# EAGLE board Mk4 Final Panel 8up 4x2 (EAGLE 9.0.1), part 23 of 23 (continued)
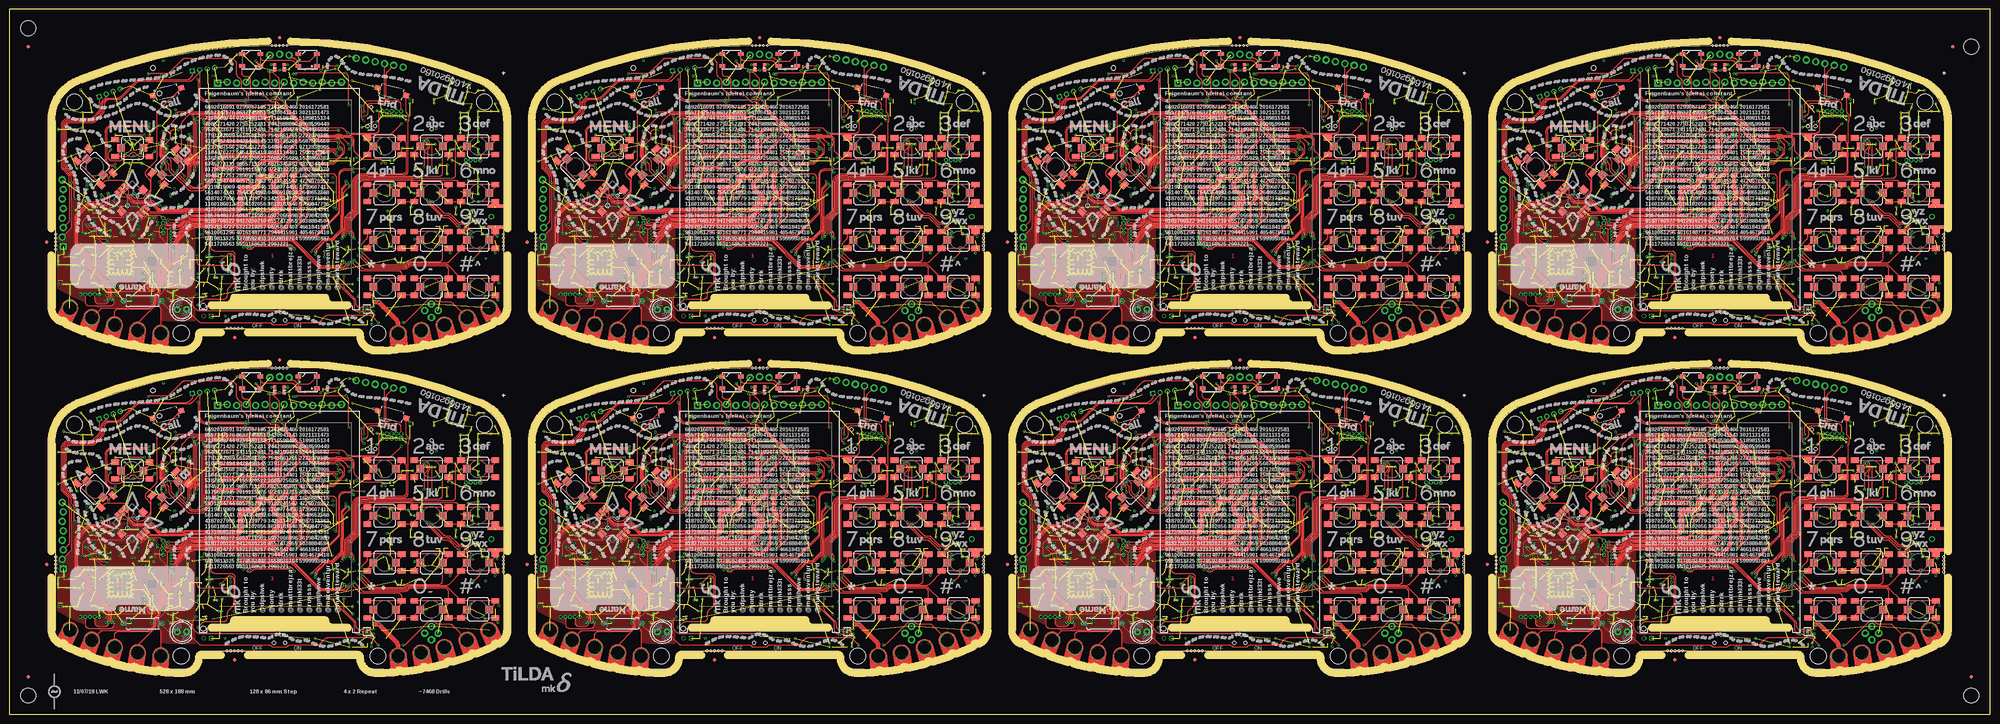
[diagram p0: board, top side]
## Tracks (layer width: path | path; a pad name or v marks a point on that pad's centre or on a via) (continued)
  pour 3V3@2 (no thermals): 281,129.5 281,128.5 280.75,128.25 279.75,128.25 279.5,128.5 279.5,130.5 281,132 286.5,132 287.5,131 290.25,131 290.75,130.5 290.75,129.5 290.25,129 287,129 286,130 281.5,130
VDD_PA7  (via drill 0.3)  (1 unrouted)
  Bottom 0.25: IC137.42 414.25,126 arc-45 414.54,126.71 415.16,127.32 arc45 415.45,128.03 415.45,129.24 arc-45 415.6,129.6 415.88,129.88 C842.1 | IC137.33 409.65,125.05
  Bottom 0.4: C842.1 C841.1 | C841.1 417.77,130.4 v418.25,130.4 | C841.1 417.73,129.4 v418.25,129.4 | C840.1 408.96,127.17 arc-45 409.25,126.46 409.25,125.86 arc45 409.54,125.16 409.65,125.05 | 408.7,127.95 408.7,128.07 | C840.1 408.7,128.07 | 408.7,128.07 v408.7,128.75 | v407.95,128.75 407.95,128.59 arc45 408.24,127.88 C840.1
  pour 3V3@2 (no thermals): 409,129.5 409,128.5 408.75,128.25 407.75,128.25 407.5,128.5 407.5,130.5 409,132 414.5,132 415.5,131 418.25,131 418.75,130.5 418.75,129.5 418.25,129 415,129 414,130 409.5,130
VDD_PLL
  Bottom 0.25: IC15.24 C94.1
VDD_PLL1
  Bottom 0.25: IC29.24 C202.1
VDD_PLL2
  Bottom 0.25: IC47.24 C310.1
VDD_PLL3
  Bottom 0.25: IC65.24 C418.1
VDD_PLL4
  Bottom 0.25: IC83.24 C526.1
VDD_PLL5
  Bottom 0.25: IC101.24 C634.1
VDD_PLL6
  Bottom 0.25: IC119.24 C742.1
VDD_PLL7
  Bottom 0.25: IC137.24 C850.1
VDD_RAM
  Bottom 0.2: IC15.49 35.34,38.25 arc-45 36.04,37.96 C95.1
VDD_RAM1
  Bottom 0.2: IC29.49 163.34,38.25 arc-45 164.04,37.96 C203.1
VDD_RAM2
  Bottom 0.2: IC47.49 35.34,124.25 arc-45 36.04,123.96 C311.1
VDD_RAM3
  Bottom 0.2: IC65.49 163.34,124.25 arc-45 164.04,123.96 C419.1
VDD_RAM4
  Bottom 0.2: IC83.49 291.34,38.25 arc-45 292.04,37.96 C527.1
VDD_RAM5
  Bottom 0.2: IC101.49 419.34,38.25 arc-45 420.04,37.96 C635.1
VDD_RAM6
  Bottom 0.2: IC119.49 291.34,124.25 arc-45 292.04,123.96 C743.1
VDD_RAM7
  Bottom 0.2: IC137.49 419.34,124.25 arc-45 420.04,123.96 C851.1
VDDC
  Bottom 0.2: 78.8,64 IC1.115 80.6,64 | 74.6,71.8 IC1.87 74.6,73.6
  Bottom 0.25: 78.8,64 77.6,64 arc-90 74.6,67 74.6,71.8 | 74.6,73.6 74.6,73.65 C8.2 | 80.6,64 81.62,64 C6.2 C7.2
VDDC1
  Bottom 0.2: 206.8,64 IC20.115 208.6,64 | 202.6,71.8 IC20.87 202.6,73.6
  Bottom 0.25: 206.8,64 205.6,64 arc-90 202.6,67 202.6,71.8 | 202.6,73.6 202.6,73.65 C118.2 | 208.6,64 209.62,64 C116.2 C117.2
VDDC2
  Bottom 0.2: 78.8,150 IC38.115 80.6,150 | 74.6,157.8 IC38.87 74.6,159.6
  Bottom 0.25: 78.8,150 77.6,150 arc-90 74.6,153 74.6,157.8 | 74.6,159.6 74.6,159.65 C226.2 | 80.6,150 81.62,150 C224.2 C225.2
VDDC3
  Bottom 0.2: 206.8,150 IC56.115 208.6,150 | 202.6,157.8 IC56.87 202.6,159.6
  Bottom 0.25: 206.8,150 205.6,150 arc-90 202.6,153 202.6,157.8 | 202.6,159.6 202.6,159.65 C334.2 | 208.6,150 209.62,150 C332.2 C333.2
VDDC4
  Bottom 0.2: 334.8,64 IC74.115 336.6,64 | 330.6,71.8 IC74.87 330.6,73.6
  Bottom 0.25: 334.8,64 333.6,64 arc-90 330.6,67 330.6,71.8 | 330.6,73.6 330.6,73.65 C442.2 | 336.6,64 337.62,64 C440.2 C441.2
VDDC5
  Bottom 0.2: 462.8,64 IC92.115 464.6,64 | 458.6,71.8 IC92.87 458.6,73.6
  Bottom 0.25: 462.8,64 461.6,64 arc-90 458.6,67 458.6,71.8 | 458.6,73.6 458.6,73.65 C550.2 | 464.6,64 465.62,64 C548.2 C549.2
VDDC6
  Bottom 0.2: 334.8,150 IC110.115 336.6,150 | 330.6,157.8 IC110.87 330.6,159.6
  Bottom 0.25: 334.8,150 333.6,150 arc-90 330.6,153 330.6,157.8 | 330.6,159.6 330.6,159.65 C658.2 | 336.6,150 337.62,150 C656.2 C657.2
VDDC7
  Bottom 0.2: 462.8,150 IC128.115 464.6,150 | 458.6,157.8 IC128.87 458.6,159.6
  Bottom 0.25: 462.8,150 461.6,150 arc-90 458.6,153 458.6,157.8 | 458.6,159.6 458.6,159.65 C766.2 | 464.6,150 465.62,150 C764.2 C765.2
WFIF_ANT_L
  Bottom 0.4: L6.2 C77.2 14.3,34.8 ANT1.1
WFIF_ANT_L1
  Bottom 0.4: L15.2 C178.2 142.3,34.8 ANT3.1
WFIF_ANT_L2
  Bottom 0.4: L24.2 C286.2 14.3,120.8 ANT5.1
WFIF_ANT_L3
  Bottom 0.4: L33.2 C394.2 142.3,120.8 ANT7.1
WFIF_ANT_L4
  Bottom 0.4: L42.2 C502.2 270.3,34.8 ANT9.1
WFIF_ANT_L5
  Bottom 0.4: L51.2 C610.2 398.3,34.8 ANT11.1
WFIF_ANT_L6
  Bottom 0.4: L60.2 C718.2 270.3,120.8 ANT13.1
WFIF_ANT_L7
  Bottom 0.4: L69.2 C826.2 398.3,120.8 ANT15.1
WIFI_ANT
  Bottom 0.35: FL1.OUT 22.45,37.75
  Bottom 0.4: L6.1 C76.2 18.09,35 arc45 18.79,35.29 19.44,35.94 arc45 19.5,36.09 arc-45 19.79,36.79 20.46,37.46 arc-45 21.16,37.75 22.45,37.75
WIFI_ANT1
  Bottom 0.35: FL2.OUT 150.45,37.75
  Bottom 0.4: L15.1 C177.2 146.09,35 arc45 146.79,35.29 147.44,35.94 arc45 147.5,36.09 arc-45 147.79,36.79 148.46,37.46 arc-45 149.16,37.75 150.45,37.75
WIFI_ANT2
  Bottom 0.35: FL3.OUT 22.45,123.75
  Bottom 0.4: L24.1 C285.2 18.09,121 arc45 18.79,121.29 19.44,121.94 arc45 19.5,122.09 arc-45 19.79,122.79 20.46,123.46 arc-45 21.16,123.75 22.45,123.75
WIFI_ANT3
  Bottom 0.35: FL4.OUT 150.45,123.75
  Bottom 0.4: L33.1 C393.2 146.09,121 arc45 146.79,121.29 147.44,121.94 arc45 147.5,122.09 arc-45 147.79,122.79 148.46,123.46 arc-45 149.16,123.75 150.45,123.75
WIFI_ANT4
  Bottom 0.35: FL5.OUT 278.45,37.75
  Bottom 0.4: L42.1 C501.2 274.09,35 arc45 274.79,35.29 275.44,35.94 arc45 275.5,36.09 arc-45 275.79,36.79 276.46,37.46 arc-45 277.16,37.75 278.45,37.75
WIFI_ANT5
  Bottom 0.35: FL6.OUT 406.45,37.75
  Bottom 0.4: L51.1 C609.2 402.09,35 arc45 402.79,35.29 403.44,35.94 arc45 403.5,36.09 arc-45 403.79,36.79 404.46,37.46 arc-45 405.16,37.75 406.45,37.75
WIFI_ANT6
  Bottom 0.35: FL7.OUT 278.45,123.75
  Bottom 0.4: L60.1 C717.2 274.09,121 arc45 274.79,121.29 275.44,121.94 arc45 275.5,122.09 arc-45 275.79,122.79 276.46,123.46 arc-45 277.16,123.75 278.45,123.75
WIFI_ANT7
  Bottom 0.35: FL8.OUT 406.45,123.75
  Bottom 0.4: L69.1 C825.2 402.09,121 arc45 402.79,121.29 403.44,121.94 arc45 403.5,122.09 arc-45 403.79,122.79 404.46,123.46 arc-45 405.16,123.75 406.45,123.75
WIFI_ANT_F
  Bottom 0.2: IC15.31 24.65,37.75
  Bottom 0.35: FL1.IN 23.52,37.75
  Bottom 0.4: 24.65,37.75 23.52,37.75
WIFI_ANT_F1
  Bottom 0.2: IC29.31 152.65,37.75
  Bottom 0.35: FL2.IN 151.53,37.75
  Bottom 0.4: 152.65,37.75 151.53,37.75
WIFI_ANT_F2
  Bottom 0.2: IC47.31 24.65,123.75
  Bottom 0.35: FL3.IN 23.52,123.75
  Bottom 0.4: 24.65,123.75 23.52,123.75
WIFI_ANT_F3
  Bottom 0.2: IC65.31 152.65,123.75
  Bottom 0.35: FL4.IN 151.53,123.75
  Bottom 0.4: 152.65,123.75 151.53,123.75
WIFI_ANT_F4
  Bottom 0.2: IC83.31 280.65,37.75
  Bottom 0.35: FL5.IN 279.52,37.75
  Bottom 0.4: 280.65,37.75 279.52,37.75
WIFI_ANT_F5
  Bottom 0.2: IC101.31 408.65,37.75
  Bottom 0.35: FL6.IN 407.52,37.75
  Bottom 0.4: 408.65,37.75 407.52,37.75
WIFI_ANT_F6
  Bottom 0.2: IC119.31 280.65,123.75
  Bottom 0.35: FL7.IN 279.52,123.75
  Bottom 0.4: 280.65,123.75 279.52,123.75
WIFI_ANT_F7
  Bottom 0.2: IC137.31 408.65,123.75
  Bottom 0.35: FL8.IN 407.52,123.75
  Bottom 0.4: 408.65,123.75 407.52,123.75
WS2812_OUT
  Top 0.3: LED2.2 80.14,88.29 arc-45 79.44,88 77.41,88 arc-45 76.71,88.29 76.29,88.71 arc45 75.59,89 arc-45 75.12,89.19 JP2.3
WS2812_OUT1
  Top 0.3: LED8.2 208.14,88.29 arc-45 207.44,88 205.41,88 arc-45 204.71,88.29 204.29,88.71 arc45 203.59,89 arc-45 203.12,89.19 JP11.3
WS2812_OUT2
  Top 0.3: LED14.2 80.14,174.29 arc-45 79.44,174 77.41,174 arc-45 76.71,174.29 76.29,174.71 arc45 75.59,175 arc-45 75.12,175.19 JP20.3
WS2812_OUT3
  Top 0.3: LED20.2 208.14,174.29 arc-45 207.44,174 205.41,174 arc-45 204.71,174.29 204.29,174.71 arc45 203.59,175 arc-45 203.12,175.19 JP29.3
WS2812_OUT4
  Top 0.3: LED26.2 336.14,88.29 arc-45 335.44,88 333.41,88 arc-45 332.71,88.29 332.29,88.71 arc45 331.59,89 arc-45 331.12,89.19 JP38.3
WS2812_OUT5
  Top 0.3: LED32.2 464.14,88.29 arc-45 463.44,88 461.41,88 arc-45 460.71,88.29 460.29,88.71 arc45 459.59,89 arc-45 459.12,89.19 JP47.3
WS2812_OUT6
  Top 0.3: LED38.2 336.14,174.29 arc-45 335.44,174 333.41,174 arc-45 332.71,174.29 332.29,174.71 arc45 331.59,175 arc-45 331.12,175.19 JP56.3
WS2812_OUT7
  Top 0.3: LED44.2 464.14,174.29 arc-45 463.44,174 461.41,174 arc-45 460.71,174.29 460.29,174.71 arc45 459.59,175 arc-45 459.12,175.19 JP65.3
WS28212_1
  Top 0.3: LED2.4 75.99,87.96 arc45 75.29,88.25 67.95,88.25 arc-90 66.95,89.25 LED1.2
WS28212_2
  Top 0.3: LED8.4 203.99,87.96 arc45 203.29,88.25 195.95,88.25 arc-90 194.95,89.25 LED7.2
WS28212_3
  Top 0.3: LED14.4 75.99,173.96 arc45 75.29,174.25 67.95,174.25 arc-90 66.95,175.25 LED13.2
WS28212_4
  Top 0.3: LED20.4 203.99,173.96 arc45 203.29,174.25 195.95,174.25 arc-90 194.95,175.25 LED19.2
WS28212_5
  Top 0.3: LED26.4 331.99,87.96 arc45 331.29,88.25 323.95,88.25 arc-90 322.95,89.25 LED25.2
WS28212_6
  Top 0.3: LED32.4 459.99,87.96 arc45 459.29,88.25 451.95,88.25 arc-90 450.95,89.25 LED31.2
WS28212_7
  Top 0.3: LED38.4 331.99,173.96 arc45 331.29,174.25 323.95,174.25 arc-90 322.95,175.25 LED37.2
WS28212_8
  Top 0.3: LED44.4 459.99,173.96 arc45 459.29,174.25 451.95,174.25 arc-90 450.95,175.25 LED43.2
XOSC0
  Bottom 0.15: IC1.66 66.2,74.7 C18.2 65.9,75.1 arc90 65.4,75.6 65.35,75.6 arc-90 64.85,76.1 X1.P$1
XOSC1
  Bottom 0.15: IC1.67 66.6,74.7 C19.2 66.9,75.1 arc-90 67.4,75.6 67.45,75.6 arc90 67.95,76.1 X1.P$2
XOSC2
  Bottom 0.15: IC20.66 194.2,74.7 C128.2 193.9,75.1 arc90 193.4,75.6 193.35,75.6 arc-90 192.85,76.1 X5.P$1
XOSC3
  Bottom 0.15: IC20.67 194.6,74.7 C129.2 194.9,75.1 arc-90 195.4,75.6 195.45,75.6 arc90 195.95,76.1 X5.P$2
XOSC4
  Bottom 0.15: IC38.66 66.2,160.7 C236.2 65.9,161.1 arc90 65.4,161.6 65.35,161.6 arc-90 64.85,162.1 X9.P$1
XOSC5
  Bottom 0.15: IC38.67 66.6,160.7 C237.2 66.9,161.1 arc-90 67.4,161.6 67.45,161.6 arc90 67.95,162.1 X9.P$2
XOSC6
  Bottom 0.15: IC56.66 194.2,160.7 C344.2 193.9,161.1 arc90 193.4,161.6 193.35,161.6 arc-90 192.85,162.1 X13.P$1
XOSC7
  Bottom 0.15: IC56.67 194.6,160.7 C345.2 194.9,161.1 arc-90 195.4,161.6 195.45,161.6 arc90 195.95,162.1 X13.P$2
XOSC8
  Bottom 0.15: IC74.66 322.2,74.7 C452.2 321.9,75.1 arc90 321.4,75.6 321.35,75.6 arc-90 320.85,76.1 X17.P$1
XOSC9
  Bottom 0.15: IC74.67 322.6,74.7 C453.2 322.9,75.1 arc-90 323.4,75.6 323.45,75.6 arc90 323.95,76.1 X17.P$2
XOSC10
  Bottom 0.15: IC92.66 450.2,74.7 C560.2 449.9,75.1 arc90 449.4,75.6 449.35,75.6 arc-90 448.85,76.1 X21.P$1
XOSC11
  Bottom 0.15: IC92.67 450.6,74.7 C561.2 450.9,75.1 arc-90 451.4,75.6 451.45,75.6 arc90 451.95,76.1 X21.P$2
XOSC12
  Bottom 0.15: IC110.66 322.2,160.7 C668.2 321.9,161.1 arc90 321.4,161.6 321.35,161.6 arc-90 320.85,162.1 X25.P$1
XOSC13
  Bottom 0.15: IC110.67 322.6,160.7 C669.2 322.9,161.1 arc-90 323.4,161.6 323.45,161.6 arc90 323.95,162.1 X25.P$2
XOSC14
  Bottom 0.15: IC128.66 450.2,160.7 C776.2 449.9,161.1 arc90 449.4,161.6 449.35,161.6 arc-90 448.85,162.1 X29.P$1
XOSC15
  Bottom 0.15: IC128.67 450.6,160.7 C777.2 450.9,161.1 arc-90 451.4,161.6 451.45,161.6 arc90 451.95,162.1 X29.P$2

## Text on the board
tPlace: Feigenbaum's (delta) constant | Feigenbaum's (delta) constant | Feigenbaum's (delta) constant | Feigenbaum's (delta) constant | 4. / 6692016091 0299067185 3203820466 2016172581 / 8557747576 8632745651 3430041343 3021131473 / 7138689744 0239480138 1716598485 5189815134 / 4086271420 2793252231 2442988890 8908599449 / 3546323671 3411532481 7142199474 5564436582 / 3793202009 5610583305 7545861765 2222070385 / 4106467494 9428498145 3391726200 5687556659 / 5233987560 3825637225 6480040951 0712838906 / 1184470277 5854285419 8011134401 7500242858 / 5382498335 7155220522 3608725029 1678860362 / 6745272133 9905713160 6875345083 4339344461 / 0370630945 2019115876 9724322735 8983890379 / 4946257251 2890979489 8676833461 1626889116 / 5631234744 6057517953 9122045562 4728070952 / 0219819909 4558581946 1368774456 1739607411 / 5614074243 7544354992 0486918098 2648652368 / 4387027996 4901739779 3425134723 8087371362 / 1160186012 8186102056 3818183540 9759847796 / 4173900328 9361714321 5987824078 9776614391 / 3957640377 6053711909 6932066998 3619842889 / 8183700322 9412030210 6557432955 5038884584 / 9737034727 5321219257 0695841407 4661841981 / 9610061296 4016148771 2944415901 4054679418 / 0019813325 3378592493 3658830704 5999993837 / 5411726563 5530168625 2903221... | 4. / 6692016091 0299067185 3203820466 2016172581 / 8557747576 8632745651 3430041343 3021131473 / 7138689744 0239480138 1716598485 5189815134 / 4086271420 2793252231 2442988890 8908599449 / 3546323671 3411532481 7142199474 5564436582 / 3793202009 5610583305 7545861765 2222070385 / 4106467494 9428498145 3391726200 5687556659 / 5233987560 3825637225 6480040951 0712838906 / 1184470277 5854285419 8011134401 7500242858 / 5382498335 7155220522 3608725029 1678860362 / 6745272133 9905713160 6875345083 4339344461 / 0370630945 2019115876 9724322735 8983890379 / 4946257251 2890979489 8676833461 1626889116 / 5631234744 6057517953 9122045562 4728070952 / 0219819909 4558581946 1368774456 1739607411 / 5614074243 7544354992 0486918098 2648652368 / 4387027996 4901739779 3425134723 8087371362 / 1160186012 8186102056 3818183540 9759847796 / 4173900328 9361714321 5987824078 9776614391 / 3957640377 6053711909 6932066998 3619842889 / 8183700322 9412030210 6557432955 5038884584 / 9737034727 5321219257 0695841407 4661841981 / 9610061296 4016148771 2944415901 4054679418 / 0019813325 3378592493 3658830704 5999993837 / 5411726563 5530168625 2903221... | 4. / 6692016091 0299067185 3203820466 2016172581 / 8557747576 8632745651 3430041343 3021131473 / 7138689744 0239480138 1716598485 5189815134 / 4086271420 2793252231 2442988890 8908599449 / 3546323671 3411532481 7142199474 5564436582 / 3793202009 5610583305 7545861765 2222070385 / 4106467494 9428498145 3391726200 5687556659 / 5233987560 3825637225 6480040951 0712838906 / 1184470277 5854285419 8011134401 7500242858 / 5382498335 7155220522 3608725029 1678860362 / 6745272133 9905713160 6875345083 4339344461 / 0370630945 2019115876 9724322735 8983890379 / 4946257251 2890979489 8676833461 1626889116 / 5631234744 6057517953 9122045562 4728070952 / 0219819909 4558581946 1368774456 1739607411 / 5614074243 7544354992 0486918098 2648652368 / 4387027996 4901739779 3425134723 8087371362 / 1160186012 8186102056 3818183540 9759847796 / 4173900328 9361714321 5987824078 9776614391 / 3957640377 6053711909 6932066998 3619842889 / 8183700322 9412030210 6557432955 5038884584 / 9737034727 5321219257 0695841407 4661841981 / 9610061296 4016148771 2944415901 4054679418 / 0019813325 3378592493 3658830704 5999993837 / 5411726563 5530168625 2903221... | 4. / 6692016091 0299067185 3203820466 2016172581 / 8557747576 8632745651 3430041343 3021131473 / 7138689744 0239480138 1716598485 5189815134 / 4086271420 2793252231 2442988890 8908599449 / 3546323671 3411532481 7142199474 5564436582 / 3793202009 5610583305 7545861765 2222070385 / 4106467494 9428498145 3391726200 5687556659 / 5233987560 3825637225 6480040951 0712838906 / 1184470277 5854285419 8011134401 7500242858 / 5382498335 7155220522 3608725029 1678860362 / 6745272133 9905713160 6875345083 4339344461 / 0370630945 2019115876 9724322735 8983890379 / 4946257251 2890979489 8676833461 1626889116 / 5631234744 6057517953 9122045562 4728070952 / 0219819909 4558581946 1368774456 1739607411 / 5614074243 7544354992 0486918098 2648652368 / 4387027996 4901739779 3425134723 8087371362 / 1160186012 8186102056 3818183540 9759847796 / 4173900328 9361714321 5987824078 9776614391 / 3957640377 6053711909 6932066998 3619842889 / 8183700322 9412030210 6557432955 5038884584 / 9737034727 5321219257 0695841407 4661841981 / 9610061296 4016148771 2944415901 4054679418 / 0019813325 3378592493 3658830704 5999993837 / 5411726563 5530168625 2903221... | OFF | ON | OFF | ON | OFF | ON | OFF | ON | Feigenbaum's (delta) constant | Feigenbaum's (delta) constant | Feigenbaum's (delta) constant | Feigenbaum's (delta) constant | 4. / 6692016091 0299067185 3203820466 2016172581 / 8557747576 8632745651 3430041343 3021131473 / 7138689744 0239480138 1716598485 5189815134 / 4086271420 2793252231 2442988890 8908599449 / 3546323671 3411532481 7142199474 5564436582 / 3793202009 5610583305 7545861765 2222070385 / 4106467494 9428498145 3391726200 5687556659 / 5233987560 3825637225 6480040951 0712838906 / 1184470277 5854285419 8011134401 7500242858 / 5382498335 7155220522 3608725029 1678860362 / 6745272133 9905713160 6875345083 4339344461 / 0370630945 2019115876 9724322735 8983890379 / 4946257251 2890979489 8676833461 1626889116 / 5631234744 6057517953 9122045562 4728070952 / 0219819909 4558581946 1368774456 1739607411 / 5614074243 7544354992 0486918098 2648652368 / 4387027996 4901739779 3425134723 8087371362 / 1160186012 8186102056 3818183540 9759847796 / 4173900328 9361714321 5987824078 9776614391 / 3957640377 6053711909 6932066998 3619842889 / 8183700322 9412030210 6557432955 5038884584 / 9737034727 5321219257 0695841407 4661841981 / 9610061296 4016148771 2944415901 4054679418 / 0019813325 3378592493 3658830704 5999993837 / 5411726563 5530168625 2903221... | 4. / 6692016091 0299067185 3203820466 2016172581 / 8557747576 8632745651 3430041343 3021131473 / 7138689744 0239480138 1716598485 5189815134 / 4086271420 2793252231 2442988890 8908599449 / 3546323671 3411532481 7142199474 5564436582 / 3793202009 5610583305 7545861765 2222070385 / 4106467494 9428498145 3391726200 5687556659 / 5233987560 3825637225 6480040951 0712838906 / 1184470277 5854285419 8011134401 7500242858 / 5382498335 7155220522 3608725029 1678860362 / 6745272133 9905713160 6875345083 4339344461 / 0370630945 2019115876 9724322735 8983890379 / 4946257251 2890979489 8676833461 1626889116 / 5631234744 6057517953 9122045562 4728070952 / 0219819909 4558581946 1368774456 1739607411 / 5614074243 7544354992 0486918098 2648652368 / 4387027996 4901739779 3425134723 8087371362 / 1160186012 8186102056 3818183540 9759847796 / 4173900328 9361714321 5987824078 9776614391 / 3957640377 6053711909 6932066998 3619842889 / 8183700322 9412030210 6557432955 5038884584 / 9737034727 5321219257 0695841407 4661841981 / 9610061296 4016148771 2944415901 4054679418 / 0019813325 3378592493 3658830704 5999993837 / 5411726563 5530168625 2903221... | 4. / 6692016091 0299067185 3203820466 2016172581 / 8557747576 8632745651 3430041343 3021131473 / 7138689744 0239480138 1716598485 5189815134 / 4086271420 2793252231 2442988890 8908599449 / 3546323671 3411532481 7142199474 5564436582 / 3793202009 5610583305 7545861765 2222070385 / 4106467494 9428498145 3391726200 5687556659 / 5233987560 3825637225 6480040951 0712838906 / 1184470277 5854285419 8011134401 7500242858 / 5382498335 7155220522 3608725029 1678860362 / 6745272133 9905713160 6875345083 4339344461 / 0370630945 2019115876 9724322735 8983890379 / 4946257251 2890979489 8676833461 1626889116 / 5631234744 6057517953 9122045562 4728070952 / 0219819909 4558581946 1368774456 1739607411 / 5614074243 7544354992 0486918098 2648652368 / 4387027996 4901739779 3425134723 8087371362 / 1160186012 8186102056 3818183540 9759847796 / 4173900328 9361714321 5987824078 9776614391 / 3957640377 6053711909 6932066998 3619842889 / 8183700322 9412030210 6557432955 5038884584 / 9737034727 5321219257 0695841407 4661841981 / 9610061296 4016148771 2944415901 4054679418 / 0019813325 3378592493 3658830704 5999993837 / 5411726563 5530168625 2903221... | 4. / 6692016091 0299067185 3203820466 2016172581 / 8557747576 8632745651 3430041343 3021131473 / 7138689744 0239480138 1716598485 5189815134 / 4086271420 2793252231 2442988890 8908599449 / 3546323671 3411532481 7142199474 5564436582 / 3793202009 5610583305 7545861765 2222070385 / 4106467494 9428498145 3391726200 5687556659 / 5233987560 3825637225 6480040951 0712838906 / 1184470277 5854285419 8011134401 7500242858 / 5382498335 7155220522 3608725029 1678860362 / 6745272133 9905713160 6875345083 4339344461 / 0370630945 2019115876 9724322735 8983890379 / 4946257251 2890979489 8676833461 1626889116 / 5631234744 6057517953 9122045562 4728070952 / 0219819909 4558581946 1368774456 1739607411 / 5614074243 7544354992 0486918098 2648652368 / 4387027996 4901739779 3425134723 8087371362 / 1160186012 8186102056 3818183540 9759847796 / 4173900328 9361714321 5987824078 9776614391 / 3957640377 6053711909 6932066998 3619842889 / 8183700322 9412030210 6557432955 5038884584 / 9737034727 5321219257 0695841407 4661841981 / 9610061296 4016148771 2944415901 4054679418 / 0019813325 3378592493 3658830704 5999993837 / 5411726563 5530168625 2903221... | OFF | ON | OFF | ON | OFF | ON | OFF | ON | 11/07/18 LWK | 528 x 188 mm | 128 x 86 mm Step | 4 x 2 Repeat | ~7468 Drills
bPlace: GND | VBAT | WS | GND | GND | VBAT | WS | GND | GND | VBAT | WS | GND | GND | VBAT | WS | GND | RX | TX | RX | TX | RX | TX | RX | TX | V | UART0 / Console | HELP? | V | UART0 / Console | HELP? | V | UART0 / Console | HELP? | V | UART0 / Console | HELP? | SCL | SDA | SCL | SDA | SCL | SDA | SCL | SDA | I2C5 | I2C5 | I2C5 | I2C5 | GND | L2 | L1 | RX- | RX+ | TX- | TX+ | 3V3 | GND | L2 | L1 | RX- | RX+ | TX- | TX+ | 3V3 | GND | L2 | L1 | RX- | RX+ | TX- | TX+ | 3V3 | GND | L2 | L1 | RX- | RX+ | TX- | TX+ | 3V3 | V | G | V | G | V | G | V | G | TX | TX | TX | TX | RX | UART4 | RX | UART4 | RX | UART4 | RX | UART4 | !HIB | ON | !HIB | ON | !HIB | ON | !HIB | ON | MIC | MIC | MIC | MIC | OFF | OFF | OFF | OFF | SIM USB | SIM USB | SIM USB | SIM USB | 3V3 | 3V3 | 3V3 | 3V3 | RI | RI | RI | RI | SDA | DTR | SDA | DTR | SDA | DTR | SDA | DTR | I2C5 | I2C5 | I2C5 | I2C5 | SCL | DCD | SCL | DCD | SCL | DCD | SCL | DCD | CTS | CTS | CTS | CTS | CCP1 | RTS | CCP1 | RTS | CCP1 | RTS | CCP1 | RTS | TIM4 | TX | TIM4 | TX | TIM4 | TX | TIM4 | TX | CCP0 | RX | CCP0 | RX | CCP0 | RX | CCP0 | RX | RX | CC UART | STATUS | RX | CC UART | STATUS | RX | CC UART | STATUS | RX | CC UART | STATUS | NETLIGHT | NETLIGHT | NETLIGHT | NETLIGHT | UART4 | UART4 | UART4 | UART4 | TX | PWR_KEY | TX | PWR_KEY | TX | PWR_KEY | TX | PWR_KEY | GND | GND | GND | GND | GND | 3V3 | GND | 3V3 | GND | 3V3 | GND | 3V3 | badge.emfcamp.org/2018 | badge.emfcamp.org/2018 | badge.emfcamp.org/2018 | badge.emfcamp.org/2018 | VBAT | designed and assembled in the UK | VBAT | designed and assembled in the UK | VBAT | designed and assembled in the UK | VBAT | designed and assembled in the UK | T62 | V_UNREG | T62 | V_UNREG | T62 | V_UNREG | T62 | V_UNREG | CC FLASH | CC FLASH | CC FLASH | CC FLASH | VBATT | VBATT | VBATT | VBATT | 0V | 0V | 0V | 0V | I2C5 | 3.3V | I2C5 | 3.3V | I2C5 | 3.3V | I2C5 | 3.3V | UART4 | UART4 | UART4 | UART4 | TX | FET | TX | FET | TX | FET | TX | FET | RX | TIM4 | SDA | RX | TIM4 | SDA | RX | TIM4 | SDA | RX | TIM4 | SDA | CCP0 | Hall | SCL | CCP0 | Hall | SCL | CCP0 | Hall | SCL | CCP0 | Hall | SCL | CCP1 | Wake | OFF | ON | Reset | VBATT | CCP1 | Wake | OFF | ON | Reset | VBATT | CCP1 | Wake | OFF | ON | Reset | VBATT | CCP1 | Wake | OFF | ON | Reset | VBATT | GND | VBAT | WS | GND | GND | VBAT | WS | GND | GND | VBAT | WS | GND | GND | VBAT | WS | GND | RX | TX | RX | TX | RX | TX | RX | TX | V | UART0 / Console | HELP? | V | UART0 / Console | HELP? | V | UART0 / Console | HELP? | V | UART0 / Console | HELP? | SCL | SDA | SCL | SDA | SCL | SDA | SCL | SDA | I2C5 | I2C5 | I2C5 | I2C5 | GND | L2 | L1 | RX- | RX+ | TX- | TX+ | 3V3 | GND | L2 | L1 | RX- | RX+ | TX- | TX+ | 3V3 | GND | L2 | L1 | RX- | RX+ | TX- | TX+ | 3V3 | GND | L2 | L1 | RX- | RX+ | TX- | TX+ | 3V3 | V | G | V | G | V | G | V | G | TX | TX | TX | TX | RX | UART4 | RX | UART4 | RX | UART4 | RX | UART4 | !HIB | ON | !HIB | ON | !HIB | ON | !HIB | ON | MIC | MIC | MIC | MIC | OFF | OFF | OFF | OFF | SIM USB | SIM USB | SIM USB | SIM USB | 3V3 | 3V3 | 3V3 | 3V3 | RI | RI | RI | RI | SDA | DTR | SDA | DTR | SDA | DTR | SDA | DTR | I2C5 | I2C5 | I2C5 | I2C5 | SCL | DCD | SCL | DCD | SCL | DCD | SCL | DCD | CTS | CTS | CTS | CTS | CCP1 | RTS | CCP1 | RTS | CCP1 | RTS | CCP1 | RTS | TIM4 | TX | TIM4 | TX | TIM4 | TX | TIM4 | TX | CCP0 | RX | CCP0 | RX | CCP0 | RX | CCP0 | RX | RX | CC UART | STATUS | RX | CC UART | STATUS | RX | CC UART | STATUS | RX | CC UART | STATUS | NETLIGHT | NETLIGHT | NETLIGHT | NETLIGHT | UART4 | UART4 | UART4 | UART4 | TX | PWR_KEY | TX | PWR_KEY | TX | PWR_KEY | TX | PWR_KEY | GND | GND | GND | GND | GND | 3V3 | GND | 3V3 | GND | 3V3 | GND | 3V3 | badge.emfcamp.org/2018 | badge.emfcamp.org/2018 | badge.emfcamp.org/2018 | badge.emfcamp.org/2018 | VBAT | designed and assembled in the UK | VBAT | designed and assembled in the UK | VBAT | designed and assembled in the UK | VBAT | designed and assembled in the UK | T62 | V_UNREG | T62 | V_UNREG | T62 | V_UNREG | T62 | V_UNREG | CC FLASH | CC FLASH | CC FLASH | CC FLASH | VBATT | VBATT | VBATT | VBATT | 0V | 0V | 0V | 0V | I2C5 | 3.3V | I2C5 | 3.3V | I2C5 | 3.3V | I2C5 | 3.3V | UART4 | UART4 | UART4 | UART4 | TX | FET | TX | FET | TX | FET | TX | FET | RX | TIM4 | SDA | RX | TIM4 | SDA | RX | TIM4 | SDA | RX | TIM4 | SDA | CCP0 | Hall | SCL | CCP0 | Hall | SCL | CCP0 | Hall | SCL | CCP0 | Hall | SCL | CCP1 | Wake | OFF | ON | Reset | VBATT | CCP1 | Wake | OFF | ON | Reset | VBATT | CCP1 | Wake | OFF | ON | Reset | VBATT | CCP1 | Wake | OFF | ON | Reset | VBATT